# KiCad board MozzaCircuit.kicad_pcb (continued)
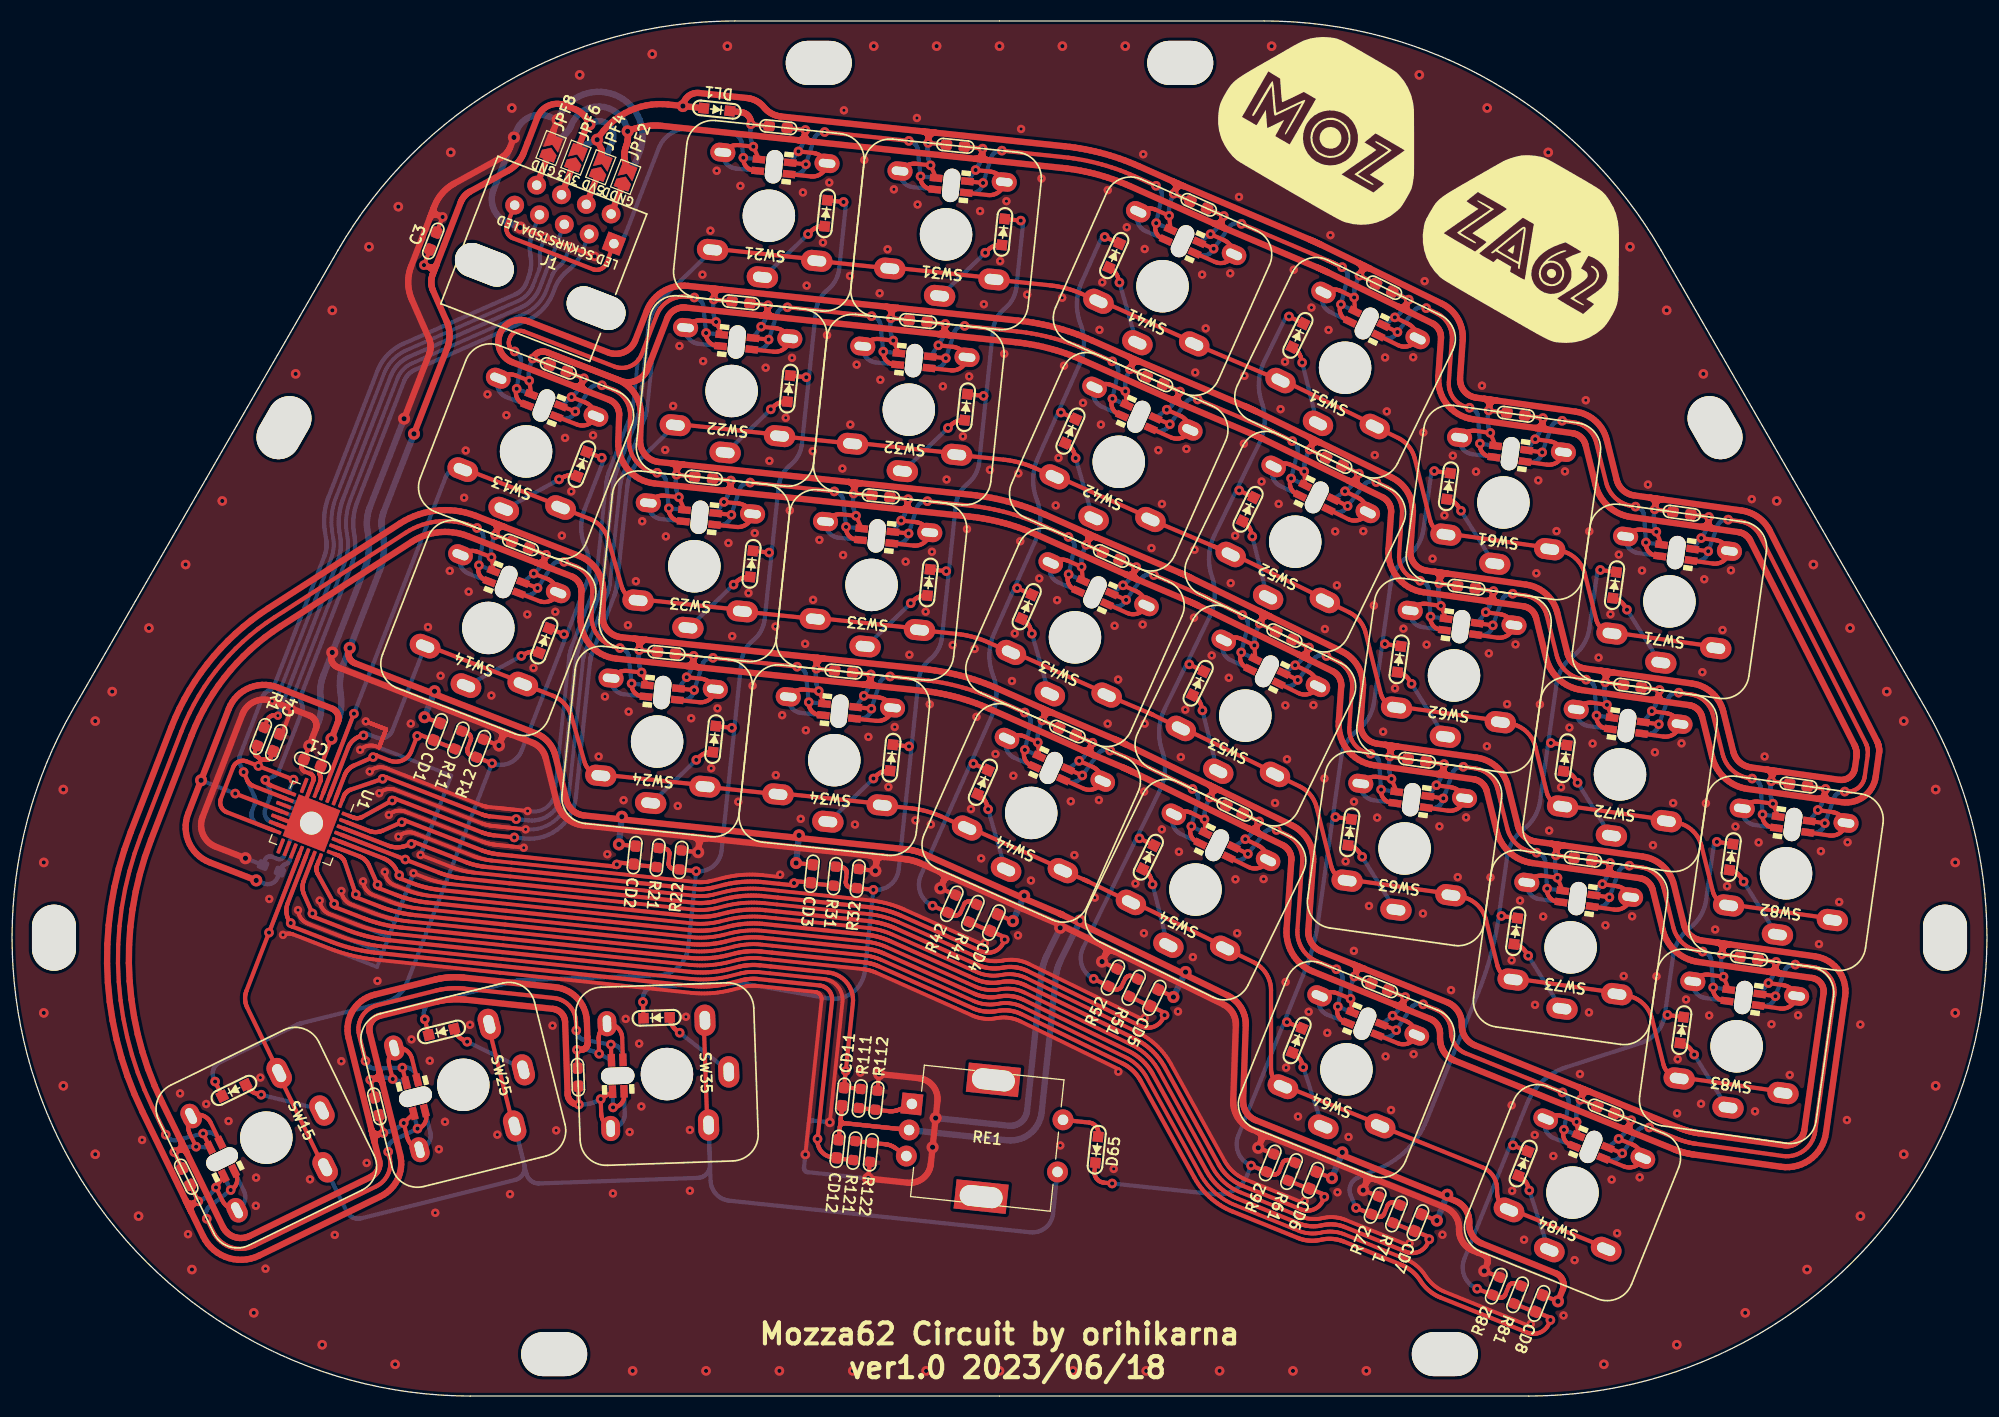
[diagram p0: board, top side]
## Routing (per net, layer and track width the routed paths; a pad name or vN(x,y) marks a point on that pad's centre or on a via; arc(x,y) is an arc through that point) (continued)
COL1: length 25.1
  Top w0.4: R11.2 40.2,62.53 CD1.2 38.73,63.15 v2(38.66,62.97) 38.1,61.53 38.03,61.38 37.95,61.23 37.85,61.1 37.74,60.97 37.61,60.86 37.48,60.76 37.33,60.68 37.18,60.61 37.02,60.56 36.85,60.53 36.69,60.51 36.52,60.51 36.35,60.53 36.19,60.57 36.03,60.62 34.78,61.1 34.76,61.11 34.73,61.12 34.7,61.12 34.68,61.12 34.65,61.12 34.62,61.11 34.6,61.1 34.57,61.09 34.55,61.08 34.52,61.06 34.5,61.04 34.49,61.02 34.47,61 34.46,60.98 v2(34.45,60.95) 32.63,60.15 32.55,60.12 32.47,60.07 32.4,60.03 32.32,59.98 32.25,59.92 32.18,59.87 32.12,59.8 32.06,59.74 32,59.67 31.95,59.6 31.9,59.53 31.85,59.45 31.81,59.38 31.77,59.29 31.73,59.21 U1.2
  Bottom w0.4: v2(34.45,60.95) 32.63,60.15 32.55,60.12 32.47,60.07 32.4,60.03 32.32,59.98 32.25,59.92 32.18,59.87 32.12,59.8 32.06,59.74 32,59.67 31.95,59.6 31.9,59.53 31.85,59.45 31.81,59.38 31.77,59.29 31.73,59.21 U1.2 ; R11.2 40.2,62.53 CD1.2 38.73,63.15 v2(38.66,62.97)
COL2: length 40.7
  Top w0.4: 31.93,54.74 34.07,53.91 34.15,53.88 34.24,53.86 34.33,53.84 34.41,53.82 34.5,53.81 34.59,53.8 34.68,53.8 34.77,53.8 34.86,53.81 34.95,53.82 35.03,53.83 35.12,53.85 35.21,53.88 35.29,53.91 35.37,53.94 v2(37.19,54.74) 37.2,54.77 37.21,54.79 37.23,54.81 37.24,54.83 37.26,54.85 37.29,54.87 37.31,54.88 37.34,54.89 37.36,54.9 37.39,54.91 37.42,54.91 37.44,54.91 37.47,54.91 37.5,54.9 37.52,54.89 44.79,52.07 44.89,52.03 45,52 45.11,51.96 45.21,51.92 45.32,51.89 45.43,51.86 45.54,51.83 45.65,51.81 45.76,51.78 45.87,51.76 45.98,51.74 46.09,51.72 46.21,51.7 46.32,51.69 46.43,51.68 47.73,51.54 57.46,50.52 57.48,50.51 57.51,50.52 57.53,50.52 57.55,50.53 57.57,50.53 57.59,50.54 57.61,50.56 57.63,50.57 57.65,50.59 57.66,50.61 57.67,50.63 57.68,50.65 57.69,50.67 57.7,50.69 v2(57.7,50.71) 57.72,50.91 CD2.2 59.31,50.69 R21.2
  Bottom w0.4: v2(57.7,50.71) 57.72,50.91 CD2.2 59.31,50.69 R21.2 ; 31.93,54.74 34.07,53.91 34.15,53.88 34.24,53.86 34.33,53.84 34.41,53.82 34.5,53.81 34.59,53.8 34.68,53.8 34.77,53.8 34.86,53.81 34.95,53.82 35.03,53.83 35.12,53.85 35.21,53.88 35.29,53.91 35.37,53.94 v2(37.19,54.74)
COL3: length 58.9
  Top w0.4: U1.26 35.9,52.51 36,52.47 36.11,52.44 36.22,52.41 36.32,52.39 36.43,52.37 36.54,52.36 36.65,52.35 36.76,52.35 36.87,52.35 36.98,52.36 37.08,52.37 37.19,52.39 37.3,52.41 37.4,52.44 37.51,52.47 v2(38.1,52.67) 38.11,52.7 38.12,52.72 38.14,52.74 38.16,52.76 38.18,52.78 38.2,52.8 38.22,52.81 38.25,52.82 38.27,52.83 38.3,52.84 38.33,52.84 38.36,52.84 38.38,52.84 38.41,52.83 38.43,52.82 43.25,50.95 43.38,50.91 43.5,50.86 43.63,50.82 43.76,50.77 43.89,50.74 44.03,50.7 44.16,50.66 44.29,50.63 44.42,50.6 44.56,50.58 44.69,50.55 44.83,50.53 44.96,50.51 45.1,50.49 45.23,50.47 47.6,50.23 65.2,48.38 65.31,48.37 65.42,48.36 65.52,48.35 65.63,48.35 65.74,48.35 65.85,48.35 65.96,48.36 66.07,48.37 66.17,48.38 66.28,48.39 66.39,48.4 66.5,48.42 66.6,48.44 66.71,48.46 66.81,48.49 67.89,48.76 68.14,48.82 68.39,48.87 68.64,48.92 68.89,48.96 69.14,48.99 69.39,49.02 69.65,49.05 69.9,49.06 70.16,49.07 70.41,49.08 70.66,49.08 70.92,49.07 71.17,49.06 71.43,49.05 71.68,49.02 73.19,48.86 74.37,48.74 74.39,48.74 74.41,48.74 74.44,48.74 74.46,48.75 74.48,48.76 74.5,48.77 74.52,48.78 74.54,48.79 74.55,48.81 74.57,48.83 74.58,48.85 74.59,48.87 74.6,48.89 74.61,48.91 v2(74.61,48.94) 74.63,49.13 CD3.2 76.22,48.92 R31.2
  Bottom w0.4: v2(74.61,48.94) 74.63,49.13 CD3.2 76.22,48.92 R31.2 ; v2(38.1,52.67) 37.51,52.47 37.4,52.44 37.3,52.41 37.19,52.39 37.08,52.37 36.98,52.36 36.87,52.35 36.76,52.35 36.65,52.35 36.54,52.36 36.43,52.37 36.32,52.39 36.22,52.41 36.11,52.44 36,52.47 35.9,52.51 U1.26
COL4: length 80.3
  Top w0.4: R41.2 93.31,44.34 93.33,44.38 94.79,43.73 v2(94.71,43.55) 94.57,43.24 94.5,43.09 94.41,42.95 94.3,42.82 94.18,42.7 94.05,42.59 93.91,42.5 93.76,42.43 93.61,42.37 93.44,42.32 93.28,42.3 93.11,42.29 92.94,42.3 92.78,42.32 92.62,42.37 92.46,42.43 84.83,45.82 84.64,45.91 84.45,45.98 84.25,46.06 84.06,46.13 83.86,46.2 83.66,46.26 83.46,46.32 83.26,46.37 83.06,46.42 82.86,46.46 82.65,46.51 82.45,46.54 82.24,46.58 82.04,46.6 81.83,46.63 73.06,47.55 71.77,47.68 71.52,47.71 71.27,47.73 71.01,47.74 70.76,47.74 70.5,47.74 70.25,47.74 69.99,47.73 69.74,47.71 69.49,47.68 69.23,47.65 68.98,47.62 68.73,47.58 68.48,47.53 68.23,47.48 67.98,47.42 67.14,47.21 67,47.18 66.86,47.15 66.73,47.12 66.59,47.1 66.45,47.08 66.31,47.06 66.18,47.05 66.04,47.04 65.9,47.03 65.76,47.03 65.62,47.03 65.48,47.03 65.34,47.04 65.2,47.05 65.06,47.06 47.46,48.91 43.04,49.38 42.88,49.4 42.72,49.42 42.57,49.44 42.41,49.47 42.25,49.5 42.09,49.53 41.94,49.56 41.78,49.6 41.63,49.64 41.47,49.68 41.32,49.73 41.17,49.78 41.02,49.83 40.87,49.88 40.72,49.94 37.76,51.09 v2(37.52,51.18) 31.46,53.53
  Bottom w0.4: 31.46,53.53 v2(37.52,51.18) ; R41.2 93.31,44.34 93.33,44.38 94.79,43.73 v2(94.71,43.55)
COL5: length 98.1
  Top w0.4: 106.62,38.14 108.59,37.17 108.62,37.22 110.05,36.52 v2(109.97,36.34) 109.82,36.03 109.73,35.88 109.64,35.75 109.53,35.62 109.41,35.5 109.27,35.4 109.13,35.32 108.98,35.25 108.82,35.19 108.66,35.15 108.49,35.13 108.32,35.13 108.16,35.15 107.99,35.18 107.83,35.23 107.68,35.29 96.9,40.55 96.75,40.62 96.6,40.68 96.44,40.74 96.29,40.79 96.13,40.83 95.97,40.86 95.81,40.89 95.65,40.91 95.49,40.93 95.32,40.93 95.16,40.93 95,40.93 94.83,40.91 94.67,40.89 94.51,40.86 94.35,40.84 94.19,40.82 94.02,40.8 93.86,40.79 93.7,40.79 93.53,40.8 93.37,40.81 93.21,40.83 93.04,40.85 92.88,40.88 92.72,40.92 92.57,40.97 92.41,41.02 92.26,41.08 92.11,41.14 91.92,41.22 84.29,44.62 84.13,44.69 83.96,44.76 83.79,44.82 83.62,44.88 83.45,44.94 83.28,44.99 83.11,45.05 82.93,45.09 82.76,45.14 82.58,45.17 82.4,45.21 82.22,45.24 82.05,45.27 81.87,45.29 81.69,45.32 72.92,46.24 71.87,46.35 71.61,46.37 71.36,46.39 71.11,46.4 70.85,46.41 70.6,46.41 70.34,46.4 70.09,46.39 69.83,46.37 69.58,46.35 69.33,46.32 69.07,46.28 68.82,46.24 68.57,46.19 68.32,46.14 68.08,46.08 67.45,45.93 67.29,45.89 67.12,45.85 66.95,45.82 66.79,45.79 66.62,45.77 66.45,45.75 66.28,45.73 66.11,45.72 65.94,45.71 65.77,45.71 65.6,45.71 65.43,45.71 65.26,45.72 65.09,45.73 64.92,45.75 47.32,47.6 40.86,48.28 40.68,48.3 40.5,48.32 40.31,48.35 40.13,48.38 39.95,48.42 39.77,48.45 39.6,48.49 39.42,48.54 39.24,48.58 39.06,48.63 38.89,48.68 38.71,48.74 38.54,48.8 38.37,48.86 38.2,48.92 37.09,49.35 37.07,49.36 37.04,49.38 37.02,49.39 37,49.41 36.98,49.43 36.97,49.45 36.95,49.48 36.94,49.5 36.93,49.53 36.93,49.56 36.92,49.58 36.92,49.61 36.93,49.64 36.93,49.66 v2(36.94,49.69) 36.64,50.23 36.59,50.33 36.53,50.42 36.46,50.51 36.4,50.6 36.33,50.68 36.25,50.76 36.17,50.83 36.09,50.91 36,50.97 35.91,51.04 35.82,51.1 35.73,51.15 35.63,51.2 35.53,51.25 35.43,51.29 U1.24
  Bottom w0.4: v2(109.97,36.34) 110.05,36.52 108.62,37.22 108.59,37.17 106.62,38.14 ; v2(36.94,49.69) 36.64,50.23 36.59,50.33 36.53,50.42 36.46,50.51 36.4,50.6 36.33,50.68 36.25,50.76 36.17,50.83 36.09,50.91 36,50.97 35.91,51.04 35.82,51.1 35.73,51.15 35.63,51.2 35.53,51.25 35.43,51.29 U1.24
COL6: length 121.1
  Top w0.4: 30.99,52.32 33.13,51.49 33.21,51.45 33.29,51.42 33.37,51.37 33.45,51.33 33.52,51.28 33.59,51.22 33.66,51.16 33.72,51.1 33.78,51.04 33.84,50.97 33.89,50.9 33.94,50.83 33.99,50.75 34.03,50.67 34.07,50.59 v2(34.87,48.78) 34.86,48.75 34.86,48.72 34.85,48.7 34.85,48.67 34.86,48.64 34.86,48.62 34.87,48.59 34.88,48.57 34.89,48.54 34.91,48.52 34.93,48.5 34.95,48.48 34.97,48.46 34.99,48.45 35.02,48.44 36.66,47.8 36.85,47.73 37.04,47.66 37.24,47.6 37.44,47.53 37.64,47.47 37.83,47.42 38.03,47.37 38.24,47.32 38.44,47.27 38.64,47.23 38.84,47.19 39.05,47.16 39.25,47.13 39.45,47.1 39.66,47.08 47.18,46.29 64.79,44.44 64.99,44.42 65.19,44.4 65.39,44.4 65.59,44.39 65.79,44.39 65.99,44.4 66.19,44.4 66.39,44.42 66.59,44.44 66.79,44.46 66.99,44.49 67.18,44.52 67.38,44.56 67.58,44.6 67.77,44.65 68.34,44.79 68.57,44.84 68.79,44.89 69.02,44.93 69.25,44.97 69.48,45 69.71,45.03 69.94,45.05 70.17,45.07 70.4,45.08 70.63,45.08 70.86,45.08 71.09,45.08 71.32,45.07 71.56,45.05 71.79,45.03 72.78,44.92 81.55,44 81.7,43.99 81.85,43.96 82,43.94 82.16,43.91 82.31,43.88 82.45,43.85 82.6,43.81 82.75,43.77 82.9,43.73 83.04,43.69 83.19,43.64 83.33,43.58 83.47,43.53 83.62,43.47 83.76,43.41 91.96,39.76 92.11,39.7 92.26,39.64 92.42,39.59 92.57,39.54 92.73,39.51 92.89,39.47 93.05,39.45 93.21,39.43 93.37,39.42 93.54,39.41 93.7,39.42 93.86,39.42 94.02,39.44 94.18,39.46 94.34,39.49 94.5,39.51 94.66,39.54 94.82,39.55 94.98,39.56 95.15,39.56 95.31,39.55 95.47,39.53 95.63,39.51 95.79,39.48 95.95,39.45 96.1,39.41 96.26,39.36 96.41,39.31 96.56,39.24 96.7,39.18 107.1,34.11 107.34,33.98 107.57,33.85 107.8,33.71 108.03,33.56 108.25,33.39 108.46,33.22 108.66,33.05 108.86,32.86 109.04,32.67 109.22,32.47 109.4,32.26 109.56,32.04 109.71,31.82 109.86,31.59 110,31.36 115.12,22.1 115.23,21.92 115.35,21.74 115.47,21.57 115.6,21.41 115.74,21.25 115.88,21.09 116.03,20.94 116.19,20.8 116.36,20.67 116.53,20.55 116.7,20.43 116.88,20.32 117.07,20.22 117.26,20.13 117.45,20.04 123,17.8 123.16,17.75 123.32,17.71 123.49,17.69 123.66,17.69 123.82,17.7 123.99,17.73 124.15,17.78 124.3,17.85 124.45,17.93 124.58,18.03 124.71,18.14 124.83,18.26 124.93,18.39 125.01,18.53 125.08,18.69 v2(125.21,19) 125.29,19.19 CD6.2 123.78,19.74 R61.2
  Bottom w0.4: 30.99,52.32 33.13,51.49 33.21,51.45 33.29,51.42 33.37,51.37 33.45,51.33 33.52,51.28 33.59,51.22 33.66,51.16 33.72,51.1 33.78,51.04 33.84,50.97 33.89,50.9 33.94,50.83 33.99,50.75 34.03,50.67 34.07,50.59 v2(34.87,48.78) ; v2(125.21,19) 125.29,19.19 CD6.2 123.78,19.74 R61.2
COL7: length 131.7
  Top w0.4: 131.76,16.52 133.8,15.7 133.82,15.74 135.3,15.14 v2(135.22,14.96) 135.1,14.64 135.03,14.49 134.94,14.35 134.84,14.21 134.72,14.09 134.6,13.98 134.46,13.88 134.31,13.8 134.16,13.74 134,13.69 133.84,13.66 133.67,13.64 133.5,13.64 133.34,13.67 133.17,13.7 133.01,13.76 127.18,16.11 127.04,16.17 126.9,16.21 126.76,16.26 126.61,16.29 126.47,16.32 126.32,16.35 126.17,16.36 126.02,16.37 125.88,16.38 125.73,16.38 125.58,16.37 125.43,16.36 125.28,16.34 125.14,16.32 124.99,16.29 124.84,16.26 124.7,16.23 124.55,16.21 124.4,16.2 124.25,16.19 124.11,16.19 123.96,16.2 123.81,16.21 123.66,16.23 123.51,16.25 123.37,16.28 123.22,16.32 123.08,16.36 122.94,16.41 122.8,16.46 122.51,16.58 116.96,18.82 116.71,18.93 116.47,19.05 116.23,19.17 116,19.31 115.77,19.47 115.55,19.63 115.34,19.8 115.14,19.98 114.94,20.17 114.76,20.36 114.58,20.57 114.41,20.78 114.25,21 114.11,21.23 113.97,21.46 108.84,30.72 108.73,30.91 108.62,31.09 108.49,31.27 108.36,31.44 108.22,31.61 108.08,31.77 107.93,31.92 107.77,32.07 107.61,32.21 107.44,32.35 107.26,32.48 107.09,32.6 106.9,32.71 106.71,32.82 106.52,32.92 96.51,37.8 96.37,37.87 96.22,37.93 96.07,37.98 95.91,38.03 95.76,38.07 95.6,38.11 95.45,38.13 95.29,38.16 95.13,38.17 94.97,38.18 94.81,38.18 94.65,38.17 94.49,38.16 94.33,38.14 94.01,38.08 93.86,38.06 93.7,38.05 93.54,38.04 93.37,38.04 93.21,38.04 93.05,38.05 92.89,38.07 92.73,38.1 92.58,38.13 92.42,38.17 92.27,38.21 92.11,38.26 91.96,38.32 91.82,38.38 90.85,38.81 83.22,42.21 83.11,42.26 82.99,42.3 82.87,42.35 82.75,42.39 82.64,42.43 82.52,42.47 82.4,42.5 82.27,42.53 82.15,42.56 82.03,42.59 81.91,42.62 81.79,42.64 81.66,42.66 81.54,42.68 81.41,42.69 72.64,43.61 71.65,43.72 71.45,43.73 71.25,43.75 71.05,43.76 70.85,43.76 70.65,43.76 70.45,43.76 70.25,43.75 70.05,43.73 69.85,43.72 69.65,43.69 69.45,43.66 69.25,43.63 69.05,43.6 68.86,43.55 68.66,43.51 68.09,43.37 67.87,43.31 67.64,43.26 67.41,43.22 67.18,43.18 66.96,43.15 66.73,43.12 66.5,43.1 66.26,43.09 66.03,43.08 65.8,43.07 65.57,43.07 65.34,43.08 65.11,43.09 64.88,43.1 64.65,43.12 47.04,44.97 38.46,45.88 38.23,45.9 38,45.93 37.77,45.97 37.55,46.01 37.32,46.05 37.1,46.09 36.87,46.14 36.65,46.2 36.43,46.26 36.2,46.32 35.98,46.38 35.77,46.45 35.55,46.53 35.33,46.6 35.12,46.69 32.95,47.53 32.92,47.54 32.9,47.55 32.88,47.57 32.86,47.59 32.84,47.61 32.82,47.63 32.81,47.65 32.8,47.68 32.79,47.7 32.79,47.73 32.78,47.76 32.78,47.78 32.79,47.81 32.79,47.84 v2(32.8,47.86) 31.76,50.92 31.74,50.98 31.71,51.03 31.69,51.09 31.65,51.14 31.62,51.19 31.58,51.24 31.54,51.29 31.5,51.33 31.46,51.37 31.41,51.41 31.36,51.45 31.31,51.48 31.26,51.51 31.2,51.54 31.14,51.56 U1.22
  Bottom w0.4: v2(32.8,47.86) 31.76,50.92 31.74,50.98 31.71,51.03 31.69,51.09 31.65,51.14 31.62,51.19 31.58,51.24 31.54,51.29 31.5,51.33 31.46,51.37 31.41,51.41 31.36,51.45 31.31,51.48 31.26,51.51 31.2,51.54 31.14,51.56 U1.22 ; 131.76,16.52 133.8,15.7 133.82,15.74 135.3,15.14 v2(135.22,14.96)
COL8: length 147.2
  Top w0.4: R81.2 145.35,7.99 145.37,8.04 146.85,7.44 v2(146.78,7.25) 146.65,6.94 146.58,6.78 146.5,6.64 146.39,6.51 146.28,6.38 146.15,6.27 146.02,6.18 145.87,6.1 145.72,6.03 145.56,5.98 145.39,5.95 145.22,5.94 145.06,5.94 144.89,5.96 144.73,6 144.57,6.05 136.32,9.39 136.16,9.45 136.01,9.52 135.86,9.6 135.72,9.69 135.57,9.78 135.44,9.87 135.3,9.98 135.17,10.08 135.05,10.2 134.93,10.31 134.81,10.43 134.7,10.56 134.59,10.69 134.49,10.83 134.4,10.97 134.38,11 134.28,11.14 134.19,11.27 134.08,11.4 133.98,11.52 133.87,11.64 133.75,11.75 133.63,11.86 133.5,11.96 133.37,12.06 133.24,12.15 133.1,12.24 132.96,12.32 132.82,12.4 132.67,12.47 132.52,12.53 127.07,14.73 126.93,14.79 126.79,14.83 126.65,14.88 126.5,14.91 126.36,14.94 126.21,14.97 126.06,14.98 125.92,14.99 125.77,15 125.62,15 125.47,14.99 125.32,14.98 125.17,14.96 125.03,14.94 124.88,14.91 124.74,14.88 124.59,14.85 124.44,14.83 124.29,14.82 124.15,14.81 124,14.81 123.85,14.82 123.7,14.83 123.55,14.85 123.41,14.87 123.26,14.9 123.12,14.94 122.97,14.98 122.83,15.03 122.69,15.08 122.01,15.35 116.47,17.6 116.16,17.73 115.86,17.87 115.57,18.03 115.29,18.2 115.01,18.38 114.75,18.58 114.49,18.79 114.24,19.01 114,19.24 113.78,19.48 113.56,19.73 113.35,19.99 113.16,20.26 112.98,20.54 112.82,20.82 107.69,30.08 107.6,30.22 107.52,30.36 107.42,30.49 107.33,30.62 107.22,30.75 107.11,30.87 107,30.98 106.88,31.1 106.76,31.2 106.63,31.3 106.5,31.4 106.37,31.49 106.23,31.58 106.09,31.66 105.94,31.73 96.32,36.43 96.17,36.49 96.03,36.55 95.88,36.61 95.73,36.66 95.57,36.7 95.42,36.73 95.26,36.76 95.11,36.78 94.95,36.79 94.79,36.8 94.63,36.8 94.47,36.79 94.32,36.78 94.16,36.76 94,36.73 93.85,36.71 93.69,36.68 93.53,36.67 93.37,36.66 93.21,36.66 93.05,36.67 92.9,36.68 92.74,36.7 92.58,36.72 92.42,36.75 92.27,36.79 92.12,36.83 91.97,36.88 91.82,36.94 91.67,37 90.31,37.6 82.69,41 82.6,41.04 82.51,41.07 82.42,41.11 82.32,41.14 82.23,41.17 82.14,41.2 82.04,41.23 81.95,41.26 81.85,41.28 81.76,41.3 81.66,41.32 81.57,41.34 81.47,41.35 81.37,41.37 81.28,41.38 72.5,42.3 71.51,42.4 71.34,42.42 71.17,42.43 71,42.44 70.83,42.44 70.66,42.44 70.49,42.44 70.32,42.43 70.15,42.42 69.98,42.4 69.81,42.38 69.65,42.36 69.48,42.33 69.31,42.3 69.15,42.27 68.98,42.23 68.36,42.07 68.11,42.01 67.86,41.96 67.61,41.91 67.36,41.87 67.11,41.84 66.85,41.81 66.6,41.78 66.35,41.76 66.09,41.75 65.84,41.75 65.58,41.75 65.33,41.75 65.07,41.76 64.82,41.78 64.57,41.81 46.91,43.66 37.26,44.68 37.01,44.7 36.76,44.74 36.51,44.77 36.26,44.82 36.01,44.86 35.76,44.91 35.51,44.97 35.27,45.03 35.02,45.09 34.78,45.16 34.53,45.23 34.29,45.31 34.05,45.39 33.82,45.48 33.58,45.57 30.88,46.61 30.85,46.62 30.83,46.64 30.81,46.65 30.79,46.67 30.77,46.69 30.75,46.71 30.74,46.74 30.73,46.76 30.72,46.79 30.72,46.82 30.71,46.84 30.71,46.87 30.72,46.9 30.72,46.92 v2(30.73,46.95) 29.17,49.78 29.15,49.84 29.12,49.89 29.1,49.95 29.08,50.01 29.07,50.07 29.06,50.13 29.05,50.19 29.04,50.25 29.04,50.31 29.05,50.37 29.05,50.43 29.06,50.49 29.08,50.55 29.09,50.61 29.12,50.67 U1.21
  Bottom w0.4: v2(30.73,46.95) 29.17,49.78 29.15,49.84 29.12,49.89 29.1,49.95 29.08,50.01 29.07,50.07 29.06,50.13 29.05,50.19 29.04,50.25 29.04,50.31 29.05,50.37 29.05,50.43 29.06,50.49 29.08,50.55 29.09,50.61 29.12,50.67 U1.21 ; v2(146.78,7.25) 146.85,7.44 145.37,8.04 145.35,7.99 R81.2
COLA: length 78.5
  Top w0.4: U1.20 27.83,49.15 27.8,49.07 27.77,48.98 27.75,48.9 27.74,48.81 27.72,48.72 27.72,48.63 27.71,48.54 27.72,48.45 27.72,48.36 27.73,48.28 27.75,48.19 27.77,48.1 27.8,48.02 27.83,47.93 27.86,47.85 v2(28.66,46.04) 28.65,46.01 28.65,45.98 28.64,45.96 28.64,45.93 28.64,45.9 28.65,45.88 28.66,45.85 28.67,45.83 28.68,45.8 28.7,45.78 28.72,45.76 28.74,45.74 28.76,45.72 28.78,45.71 28.81,45.7 32.04,44.45 32.29,44.35 32.55,44.26 32.82,44.17 33.08,44.08 33.35,44.01 33.61,43.93 33.88,43.86 34.15,43.8 34.42,43.74 34.69,43.68 34.96,43.63 35.23,43.58 35.51,43.54 35.78,43.51 36.06,43.48 46.77,42.35 64.66,40.47 64.92,40.45 65.17,40.43 65.42,40.42 65.68,40.41 65.93,40.41 66.19,40.42 66.44,40.43 66.7,40.45 66.95,40.47 67.2,40.5 67.45,40.53 67.7,40.58 67.96,40.62 68.2,40.68 68.45,40.73 69.3,40.95 69.44,40.98 69.57,41.01 69.71,41.03 69.85,41.05 69.98,41.07 70.12,41.09 70.26,41.1 70.4,41.11 70.54,41.12 70.68,41.12 70.82,41.12 70.96,41.12 71.09,41.11 71.23,41.1 71.37,41.09 72.37,40.99 77.86,40.41 78.14,40.36 78.4,40.29 78.66,40.19 78.91,40.07 79.15,39.91 79.36,39.74 79.56,39.54 79.73,39.33 79.89,39.09 80.01,38.84 80.11,38.58 80.18,38.32 80.23,38.04 80.24,37.76 80.23,37.48 v2(79.55,31) CD11.2 79.38,29.46 R111.2
  Bottom w0.4: U1.20 27.83,49.15 27.8,49.07 27.77,48.98 27.75,48.9 27.74,48.81 27.72,48.72 27.72,48.63 27.71,48.54 27.72,48.45 27.72,48.36 27.73,48.28 27.75,48.19 27.77,48.1 27.8,48.02 27.83,47.93 27.86,47.85 v2(28.66,46.04) ; v2(79.55,31) CD11.2 79.38,29.46 R111.2
COLB: length 89.6
  Top w0.4: 28.05,51.53 26.3,47 26.26,46.88 26.22,46.75 26.19,46.62 26.18,46.49 26.17,46.35 26.17,46.22 26.18,46.09 26.2,45.96 26.23,45.83 26.27,45.7 26.32,45.58 26.37,45.46 26.44,45.34 26.51,45.23 v2(26.59,45.12) 26.58,45.1 26.58,45.07 26.57,45.04 26.57,45.02 26.57,44.99 26.58,44.96 26.59,44.94 26.6,44.91 26.61,44.89 26.63,44.87 26.65,44.85 26.67,44.83 26.69,44.81 26.71,44.8 26.74,44.79 30.5,43.33 30.78,43.22 31.06,43.12 31.34,43.03 31.63,42.93 31.92,42.85 32.21,42.77 32.5,42.69 32.79,42.62 33.08,42.56 33.38,42.5 33.67,42.44 33.97,42.39 34.26,42.35 34.56,42.31 34.86,42.27 46.63,41.04 64.75,39.13 65.01,39.11 65.26,39.09 65.51,39.08 65.77,39.07 66.02,39.07 66.28,39.08 66.53,39.09 66.79,39.11 67.04,39.13 67.29,39.16 67.55,39.2 67.8,39.24 68.05,39.29 68.3,39.34 68.54,39.4 69.62,39.67 69.72,39.69 69.83,39.71 69.94,39.73 70.04,39.75 70.15,39.77 70.26,39.78 70.37,39.79 70.48,39.8 70.58,39.8 70.69,39.8 70.8,39.8 70.91,39.8 71.02,39.8 71.13,39.79 71.23,39.78 72.23,39.67 77.05,39.17 77.18,39.15 77.32,39.11 77.45,39.06 77.58,38.99 77.69,38.92 77.8,38.83 77.9,38.73 77.99,38.62 78.07,38.5 78.13,38.38 78.18,38.25 78.22,38.11 78.24,37.97 78.25,37.83 78.24,37.69 v2(76.85,24.53) 76.85,24.36 76.85,24.19 76.88,24.03 76.92,23.86 76.98,23.71 77.06,23.56 77.15,23.42 77.26,23.29 77.38,23.17 77.51,23.06 77.65,22.97 77.8,22.9 77.95,22.84 78.11,22.79 78.28,22.77 78.68,22.73 78.67,22.68 R121.2
  Bottom w0.4: v2(26.59,45.12) 26.51,45.23 26.44,45.34 26.37,45.46 26.32,45.58 26.27,45.7 26.23,45.83 26.2,45.96 26.18,46.09 26.17,46.22 26.17,46.35 26.18,46.49 26.19,46.62 26.22,46.75 26.26,46.88 26.3,47 28.05,51.53 ; v2(76.85,24.53) 76.85,24.36 76.85,24.19 76.88,24.03 76.92,23.86 76.98,23.71 77.06,23.56 77.15,23.42 77.26,23.29 77.38,23.17 77.51,23.06 77.65,22.97 77.8,22.9 77.95,22.84 78.11,22.79 78.28,22.77 78.68,22.73 78.67,22.68 R121.2
LED: length 39.8
  Top w0.4: 47.96,113.61 47.23,111.74 47.2,111.64 47.18,111.54 47.17,111.44 47.17,111.33 47.18,111.23 47.2,111.13 47.23,111.03 47.27,110.93 47.32,110.84 47.39,110.75 47.46,110.68 47.53,110.61 47.62,110.54 47.71,110.49 47.8,110.45 55.41,107.5 55.51,107.47 55.61,107.44 55.72,107.43 55.82,107.43 55.93,107.44 56.03,107.46 56.13,107.5 56.22,107.54 56.31,107.59 56.4,107.65 56.48,107.72 56.55,107.8 56.61,107.88 56.66,107.97 56.7,108.07 J1.1 ; v2(69.78,118.13) 69.77,118.02 69.78,117.9 69.79,117.79 69.82,117.68 69.86,117.57 69.92,117.47 69.98,117.37 70.05,117.28 70.13,117.2 70.22,117.13 70.32,117.06 70.42,117.01 70.53,116.97 70.64,116.94 70.75,116.92 L21.3
  Bottom w0.4: J1.1 57.52,109.95 57.62,109.98 57.71,110.01 57.8,110.04 57.88,110.09 57.97,110.14 58.05,110.19 58.12,110.25 58.19,110.32 58.26,110.39 58.32,110.46 58.38,110.54 58.43,110.63 58.47,110.71 58.51,110.8 61.69,119.02 61.8,119.26 61.92,119.48 62.07,119.7 62.23,119.91 62.41,120.09 62.61,120.27 62.82,120.42 63.04,120.56 63.28,120.67 63.52,120.77 63.77,120.84 64.02,120.9 64.28,120.92 64.54,120.93 64.81,120.92 68.56,120.52 68.66,120.5 68.77,120.48 68.88,120.44 68.98,120.4 69.07,120.34 69.16,120.28 69.25,120.21 69.33,120.13 69.4,120.05 69.46,119.96 69.51,119.86 69.56,119.76 69.6,119.66 69.62,119.55 69.64,119.44 v2(69.78,118.13) 71.27,117.97
NRST: length 26.3
  Top w0.4: v2(23.5,60.11) 23.64,60.48 ; v2(23.5,60.11) v2(26.85,58.8) ; v2(23.5,60.11) 23.64,60.48 ; v2(23.5,60.11) 22.38,60.54 22.28,60.57 22.18,60.59 22.07,60.61 21.97,60.61 21.86,60.6 21.76,60.57 21.66,60.54 21.57,60.5 21.48,60.45 21.39,60.39 21.31,60.32 21.24,60.24 21.18,60.15 21.13,60.06 21.09,59.97 20.27,57.87 19.93,56.99 19.9,56.89 19.87,56.78 19.86,56.68 19.86,56.57 19.87,56.47 19.89,56.37 19.93,56.27 19.97,56.17 20.02,56.08 20.08,56 20.15,55.92 20.23,55.85 20.31,55.79 20.4,55.73 20.5,55.69 U1.14 ; 23.64,60.48 23.66,60.52 23.66,60.56 23.67,60.6 23.67,60.64 23.67,60.68 23.66,60.73 23.64,60.77 23.63,60.8 23.61,60.84 23.58,60.87 23.55,60.9 23.52,60.93 23.49,60.96 23.45,60.98 23.41,61 23.38,61.01 23.34,61.03 23.31,61.06 23.28,61.09 23.25,61.12 23.22,61.15 23.2,61.19 23.19,61.23 23.17,61.27 23.16,61.31 23.16,61.35 23.16,61.39 23.16,61.43 23.17,61.47 23.19,61.51 23.4,62.06 ; 23.64,60.48 23.66,60.52 23.68,60.55 23.71,60.59 23.73,60.62 23.77,60.65 23.8,60.67 23.84,60.69 23.87,60.71 23.91,60.72 23.95,60.73 24,60.73 24.04,60.73 24.08,60.73 24.12,60.72 24.2,60.69 24.24,60.68 24.28,60.68 24.32,60.68 24.37,60.68 24.41,60.69 24.45,60.71 24.49,60.72 24.52,60.74 24.55,60.77 24.59,60.8 24.62,60.83 24.64,60.86 24.66,60.9 24.68,60.93 C4.1
  Bottom w0.4: v2(26.85,58.8) U2.14 ; 23.64,60.48 v2(23.5,60.11) 23.64,60.48 ; 23.64,60.48 23.66,60.52 23.66,60.56 23.67,60.6 23.67,60.64 23.67,60.68 23.66,60.73 23.64,60.77 23.63,60.8 23.61,60.84 23.58,60.87 23.55,60.9 23.52,60.93 23.49,60.96 23.45,60.98 23.41,61 23.38,61.01 23.34,61.03 23.31,61.06 23.28,61.09 23.25,61.12 23.22,61.15 23.2,61.19 23.19,61.23 23.17,61.27 23.16,61.31 23.16,61.35 23.16,61.39 23.16,61.43 23.17,61.47 23.19,61.51 23.4,62.06 ; 23.64,60.48 23.66,60.52 23.68,60.55 23.71,60.59 23.73,60.62 23.77,60.65 23.8,60.67 23.84,60.69 23.87,60.71 23.91,60.72 23.95,60.73 24,60.73 24.04,60.73 24.08,60.73 24.12,60.72 24.2,60.69 24.24,60.68 24.28,60.68 24.32,60.68 24.37,60.68 24.41,60.69 24.45,60.71 24.49,60.72 24.52,60.74 24.55,60.77 24.59,60.8 24.62,60.83 24.64,60.86 24.66,60.9 24.68,60.93 C4.1
NRST_in: length 61.8
  Top w0.4: v3(25.36,64.91) 25.28,64.93 25.2,64.95 25.12,64.96 25.03,64.96 24.95,64.95 24.87,64.93 24.79,64.91 24.71,64.87 24.64,64.83 24.57,64.78 24.51,64.73 24.45,64.67 24.4,64.6 24.36,64.53 24.32,64.45 24.06,63.76
  Bottom w0.4: J1.5 52.04,110.09 51.28,108.13 ; 51.28,108.13 50.52,106.18 50.34,105.71 50.27,105.55 50.2,105.39 50.11,105.24 50.02,105.09 49.92,104.94 49.81,104.8 49.7,104.67 49.58,104.54 49.45,104.42 49.31,104.31 49.17,104.2 49.03,104.1 48.88,104.01 48.72,103.93 48.56,103.85 37.9,99.15 37.74,99.07 37.59,98.99 37.44,98.9 37.29,98.8 37.15,98.69 37.02,98.58 36.89,98.46 36.77,98.33 36.66,98.2 36.55,98.06 36.45,97.91 36.36,97.77 36.27,97.61 36.2,97.45 36.13,97.29 34.75,93.73 31.59,85.6 31.52,85.39 31.45,85.19 31.39,84.98 31.33,84.77 31.29,84.55 31.25,84.34 31.22,84.12 31.2,83.91 31.18,83.69 31.17,83.47 31.17,83.25 31.18,83.04 31.19,82.82 31.21,82.6 31.24,82.39 31.32,81.89 31.34,81.74 31.36,81.59 31.37,81.43 31.37,81.28 31.37,81.13 31.37,80.98 31.35,80.83 31.34,80.68 31.32,80.52 31.29,80.37 31.26,80.23 31.22,80.08 31.18,79.93 31.13,79.79 31.08,79.64 28.25,72.37 v3(25.36,64.91) 25.28,64.93 25.2,64.95 25.12,64.96 25.03,64.96 24.95,64.95 24.87,64.93 24.79,64.91 24.71,64.87 24.64,64.83 24.57,64.78 24.51,64.73 24.45,64.67 24.4,64.6 24.36,64.53 24.32,64.45 24.06,63.76
REA: length 10.4
  Top w0.4: R111.1 82.38,27.31 83.65,27.18 83.72,27.17 83.79,27.17 83.86,27.17 83.93,27.17 84,27.17 84.07,27.18 84.14,27.19 84.21,27.2 84.28,27.21 84.35,27.23 84.41,27.25 84.48,27.27 84.55,27.29 84.61,27.31 84.68,27.34 85.85,27.87
  Bottom w0.4: 85.85,27.87 84.68,27.34 84.61,27.31 84.55,27.29 84.48,27.27 84.41,27.25 84.35,27.23 84.28,27.21 84.21,27.2 84.14,27.19 84.07,27.18 84,27.17 83.93,27.17 83.86,27.17 83.79,27.17 83.72,27.17 83.65,27.18 82.38,27.31 R111.1
REB: length 10.4
  Top w0.4: RE1.B 84.29,23.65 84.23,23.69 84.17,23.73 84.11,23.76 84.05,23.8 83.99,23.83 83.93,23.86 83.86,23.89 83.8,23.91 83.73,23.93 83.66,23.96 83.6,23.97 83.53,23.99 83.46,24 83.39,24.01 83.32,24.02 R122.1 80.45,24.32
  Bottom w0.4: RE1.B 84.29,23.65 84.23,23.69 84.17,23.73 84.11,23.76 84.05,23.8 83.99,23.83 83.93,23.86 83.86,23.89 83.8,23.91 83.73,23.93 83.66,23.96 83.6,23.97 83.53,23.99 83.46,24 83.39,24.01 83.32,24.02 R122.1 80.45,24.32
ROW1: length 195.7
  Top w0.4: 162.56,71.35 162.58,71.47 152.67,72.86 SW71.3 152.52,72.77 152.38,72.8 152.24,72.85 152.11,72.91 151.98,72.98 151.86,73.06 151.75,73.14 151.64,73.24 151.54,73.34 151.45,73.45 151.37,73.57 151.3,73.7 151.24,73.83 151.19,73.96 151.15,74.1 150.07,78.42 150,78.65 149.92,78.87 149.82,79.08 149.7,79.29 149.57,79.49 149.42,79.67 149.25,79.84 149.08,80 148.89,80.15 148.69,80.27 148.48,80.39 148.26,80.48 148.04,80.56 147.81,80.62 147.58,80.66 146.72,80.79 146.74,80.9 136.83,82.3 SW61.3 136.68,82.2 136.54,82.24 136.4,82.29 136.27,82.35 136.14,82.41 136.02,82.49 135.91,82.58 135.8,82.67 135.7,82.78 135.61,82.89 135.53,83.01 135.46,83.13 135.4,83.26 135.35,83.4 135.31,83.53 133.84,89.44 133.79,89.6 133.73,89.77 133.67,89.93 133.59,90.09 133.51,90.24 133.41,90.39 133.31,90.53 133.2,90.66 133.08,90.79 132.96,90.92 132.83,91.03 132.69,91.14 132.55,91.24 132.4,91.32 132.24,91.41 SW51.2 130.07,92.6 121.08,96.98 121.03,96.87 ; 31.51,56.84 31.66,57.23 31.68,57.28 31.71,57.34 31.74,57.39 31.77,57.44 31.81,57.49 31.85,57.54 31.89,57.58 31.93,57.63 31.98,57.67 32.03,57.7 32.08,57.74 32.13,57.77 32.19,57.8 32.24,57.82 32.3,57.84 v2(35.36,58.88) 35.37,58.91 35.38,58.93 35.4,58.95 35.42,58.97 35.44,58.99 35.46,59.01 35.48,59.02 35.51,59.03 35.54,59.04 35.56,59.05 35.59,59.05 35.62,59.05 35.64,59.05 35.67,59.04 35.7,59.03 44.85,55.48 44.94,55.45 44.99,55.43 45.04,55.42 45.09,55.4 45.14,55.39 45.18,55.37 45.23,55.36 45.28,55.35 45.33,55.34 45.43,55.32 45.54,55.31 45.59,55.3 v2(48.1,55.04) ; SW21.3 66.85,109.46 76.8,108.41 76.79,108.29 SW31.3 83.76,107.68 93.7,106.64 93.69,106.52 99.04,105.96 99.25,105.93 99.46,105.9 99.66,105.87 99.87,105.83 100.08,105.79 100.28,105.75 100.48,105.7 100.69,105.64 100.89,105.58 101.09,105.52 101.28,105.45 101.48,105.38 101.68,105.31 101.87,105.23 102.06,105.15 SW41.3 103.71,104.55 112.84,100.48 112.79,100.37 121.03,96.87